# Altium PCB DC_DC_Buck_Controlled_PCB.PcbDoc (part 1 of 2)
Units mil, origin at the board's own origin, x right, y up, seen from the top; angles counter-clockwise.
Board outline 7880.45 x 7885.44 mil, 4 copper layers (Top Layer, Power, GND, Bottom Layer), stack 23.756 mil thick; 187 components, 75 nets, 547 pads, 165 vias.
Unrouted connection lines stored in the file: 1.
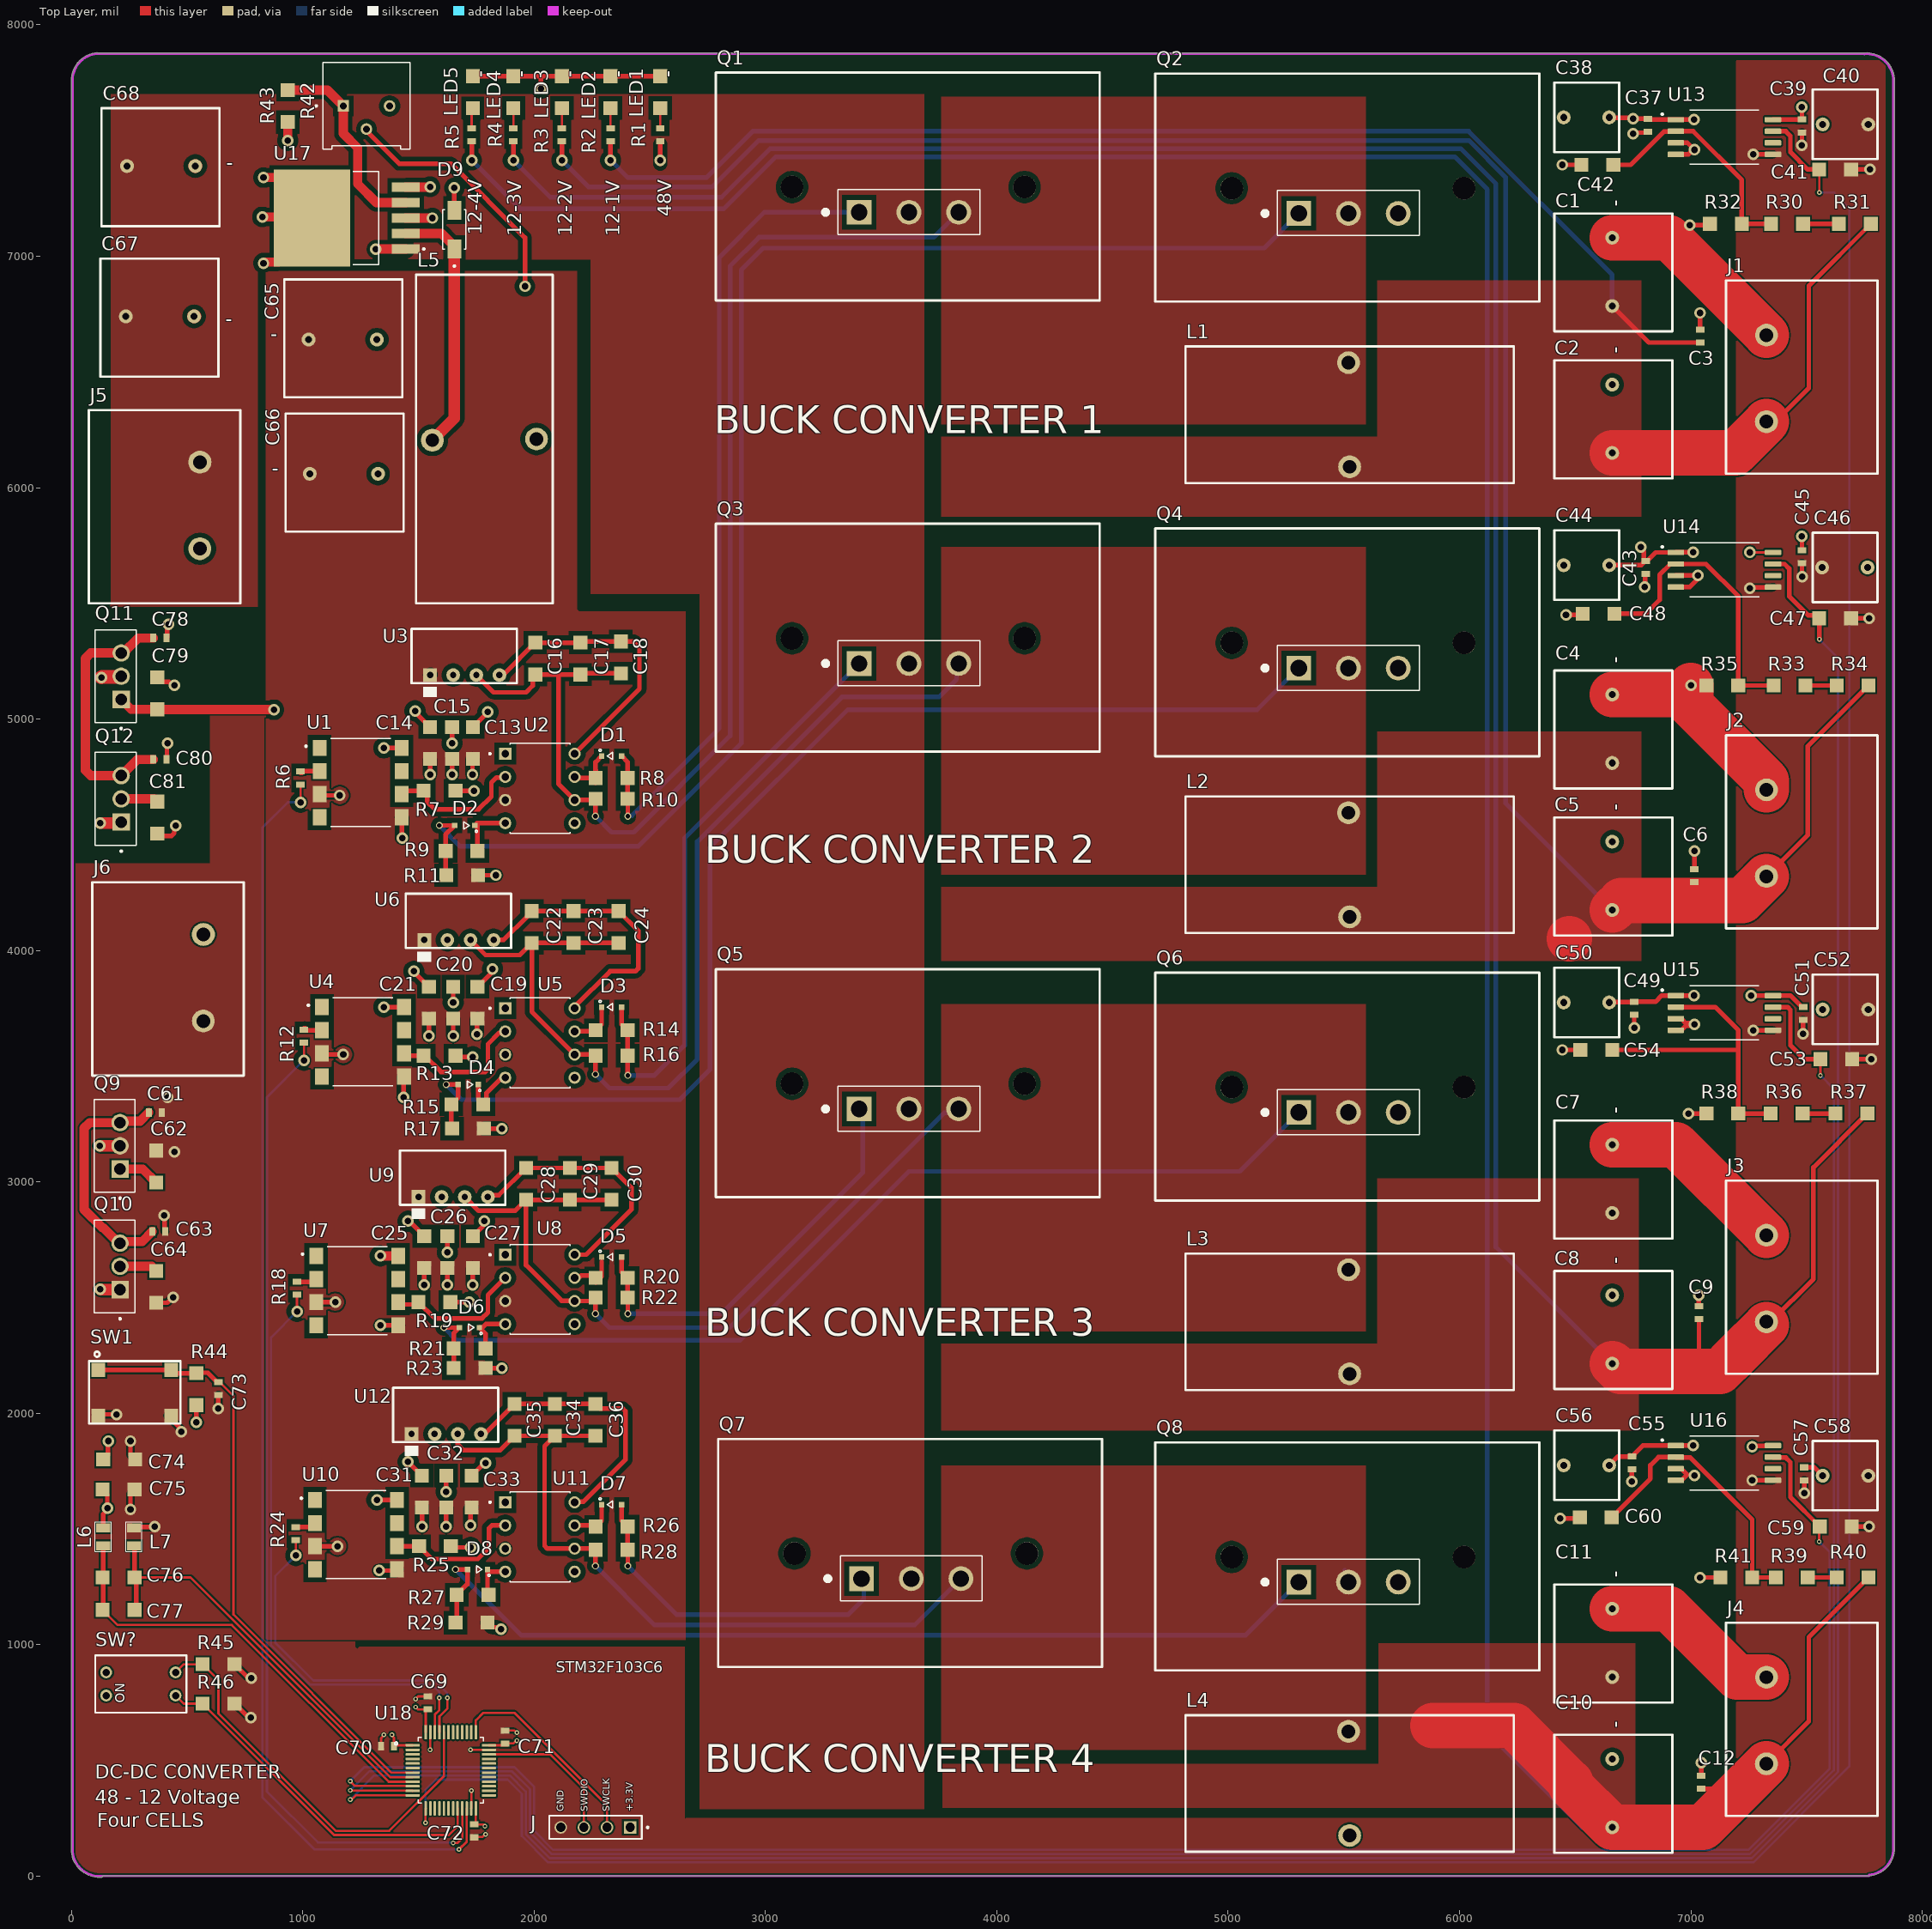
[diagram p0: Top Layer view]
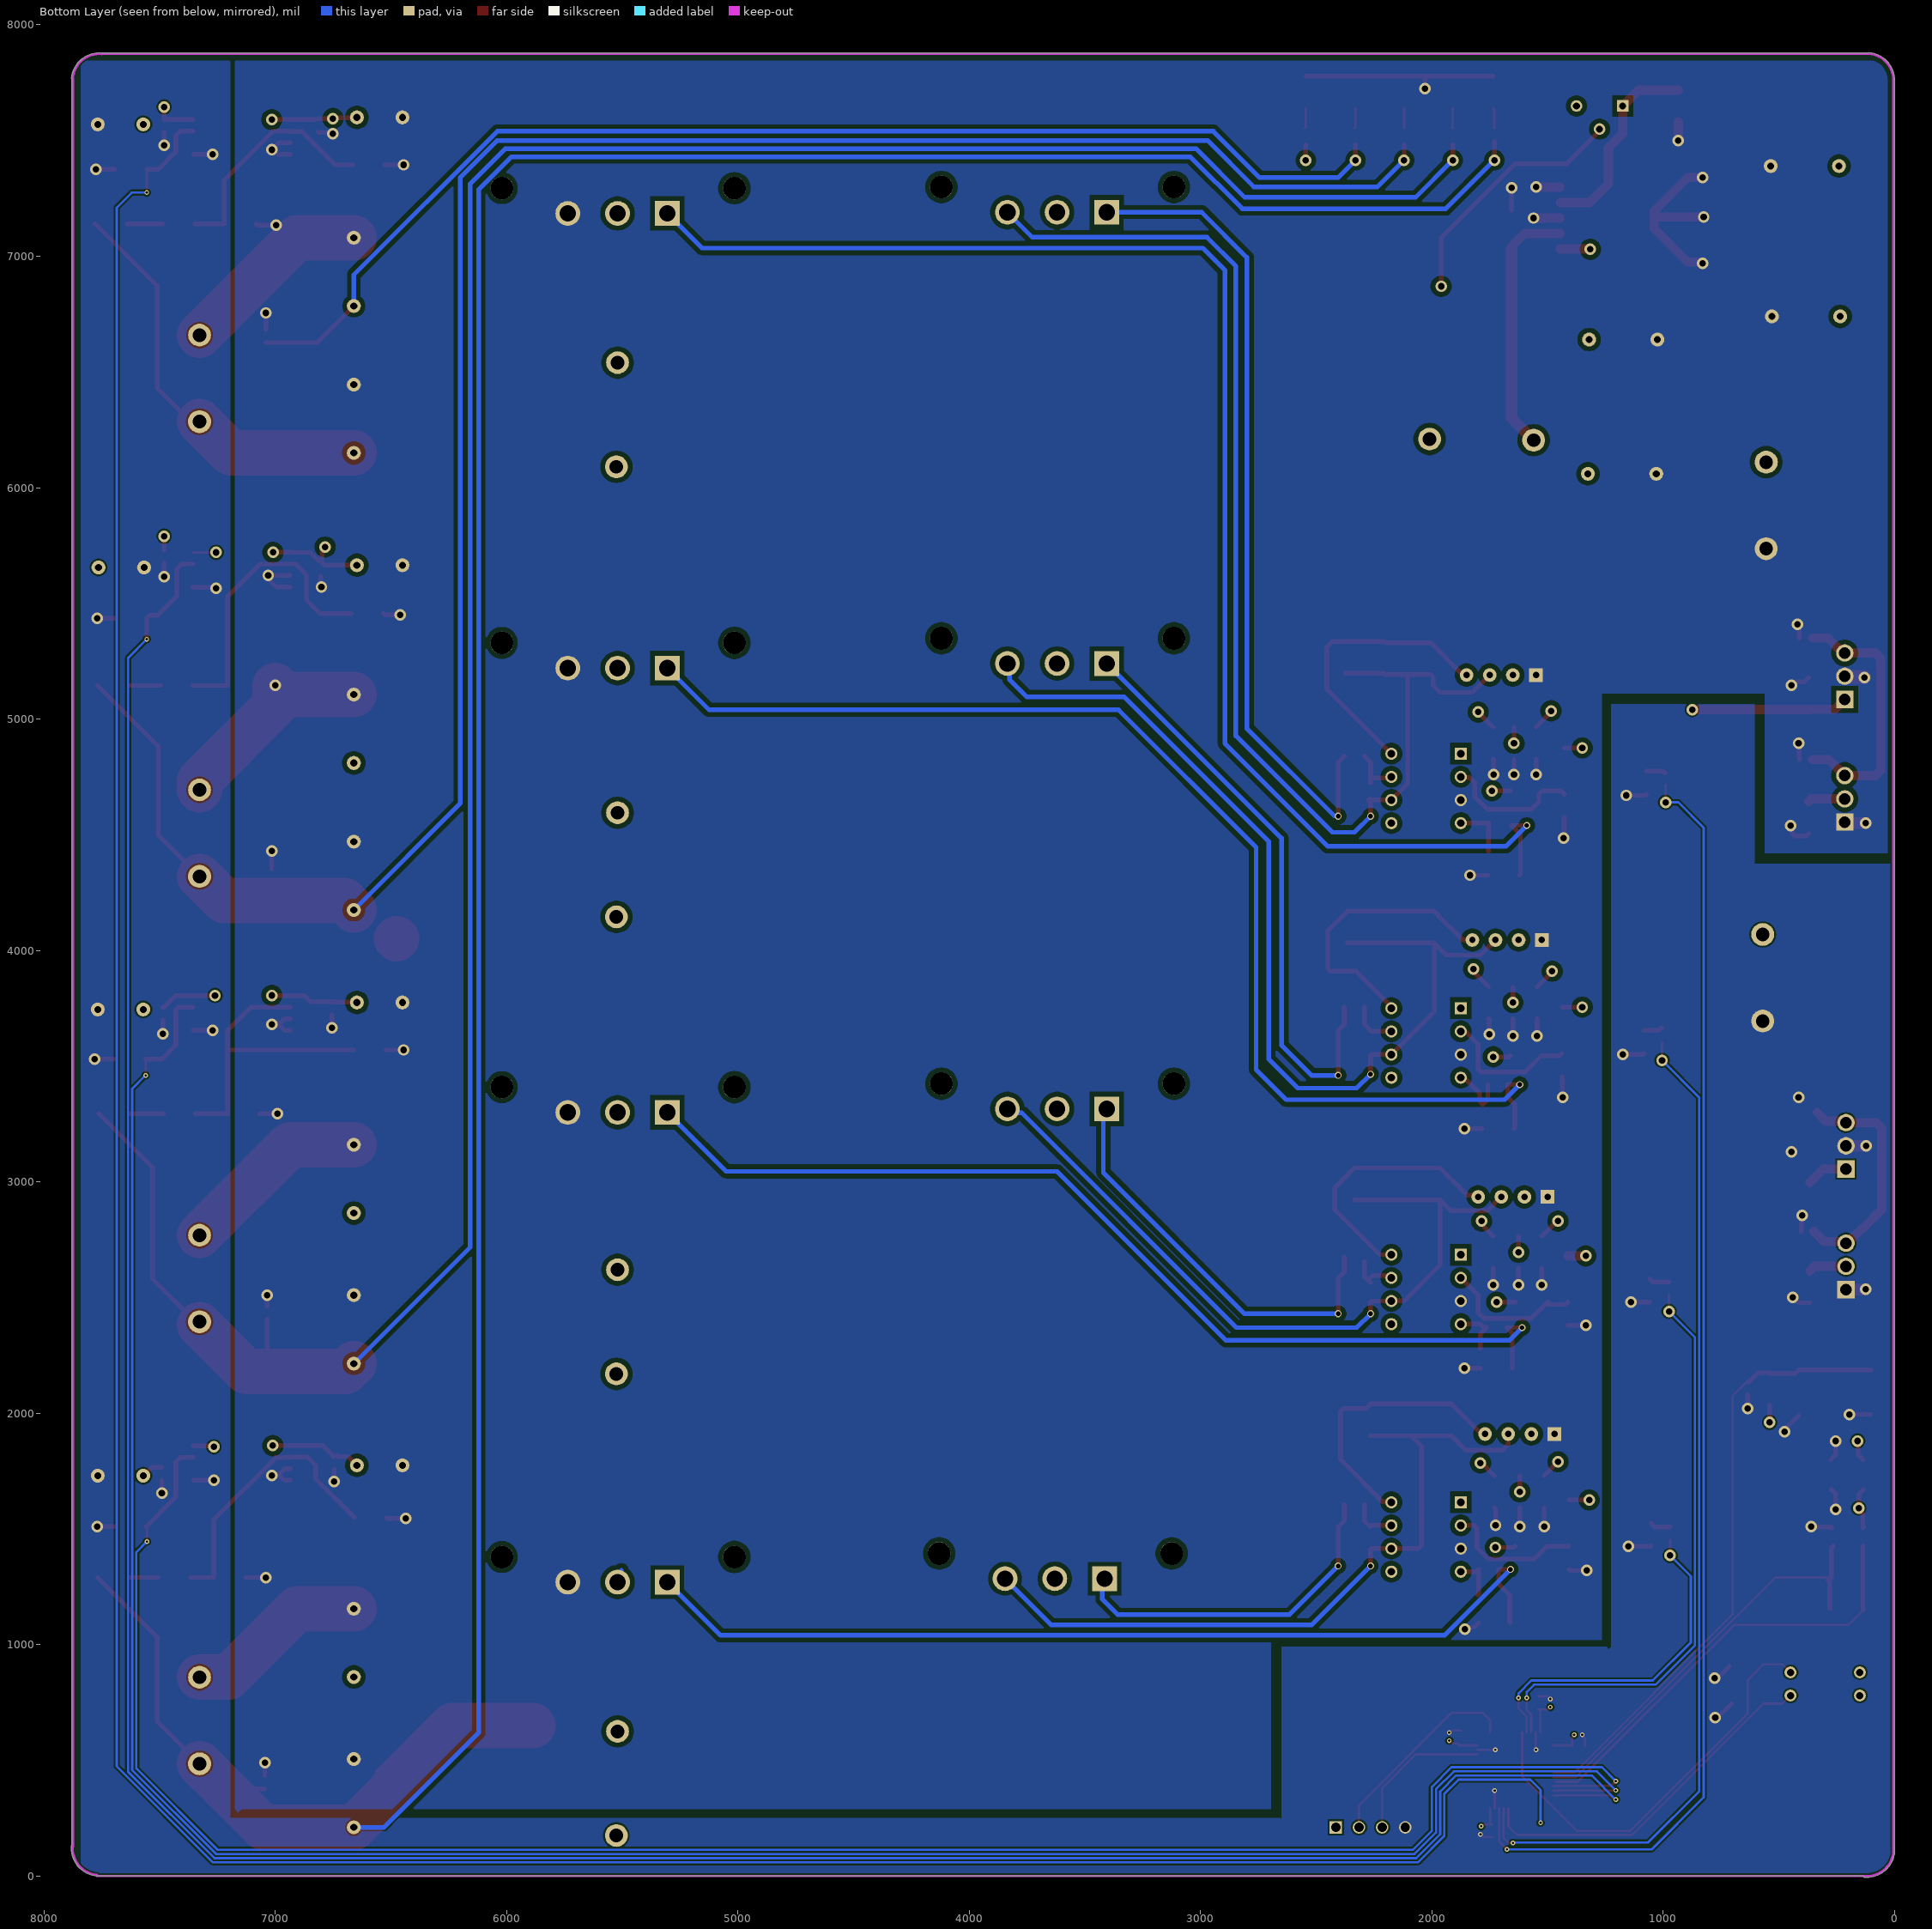
[diagram p1: Bottom Layer view, seen from below]
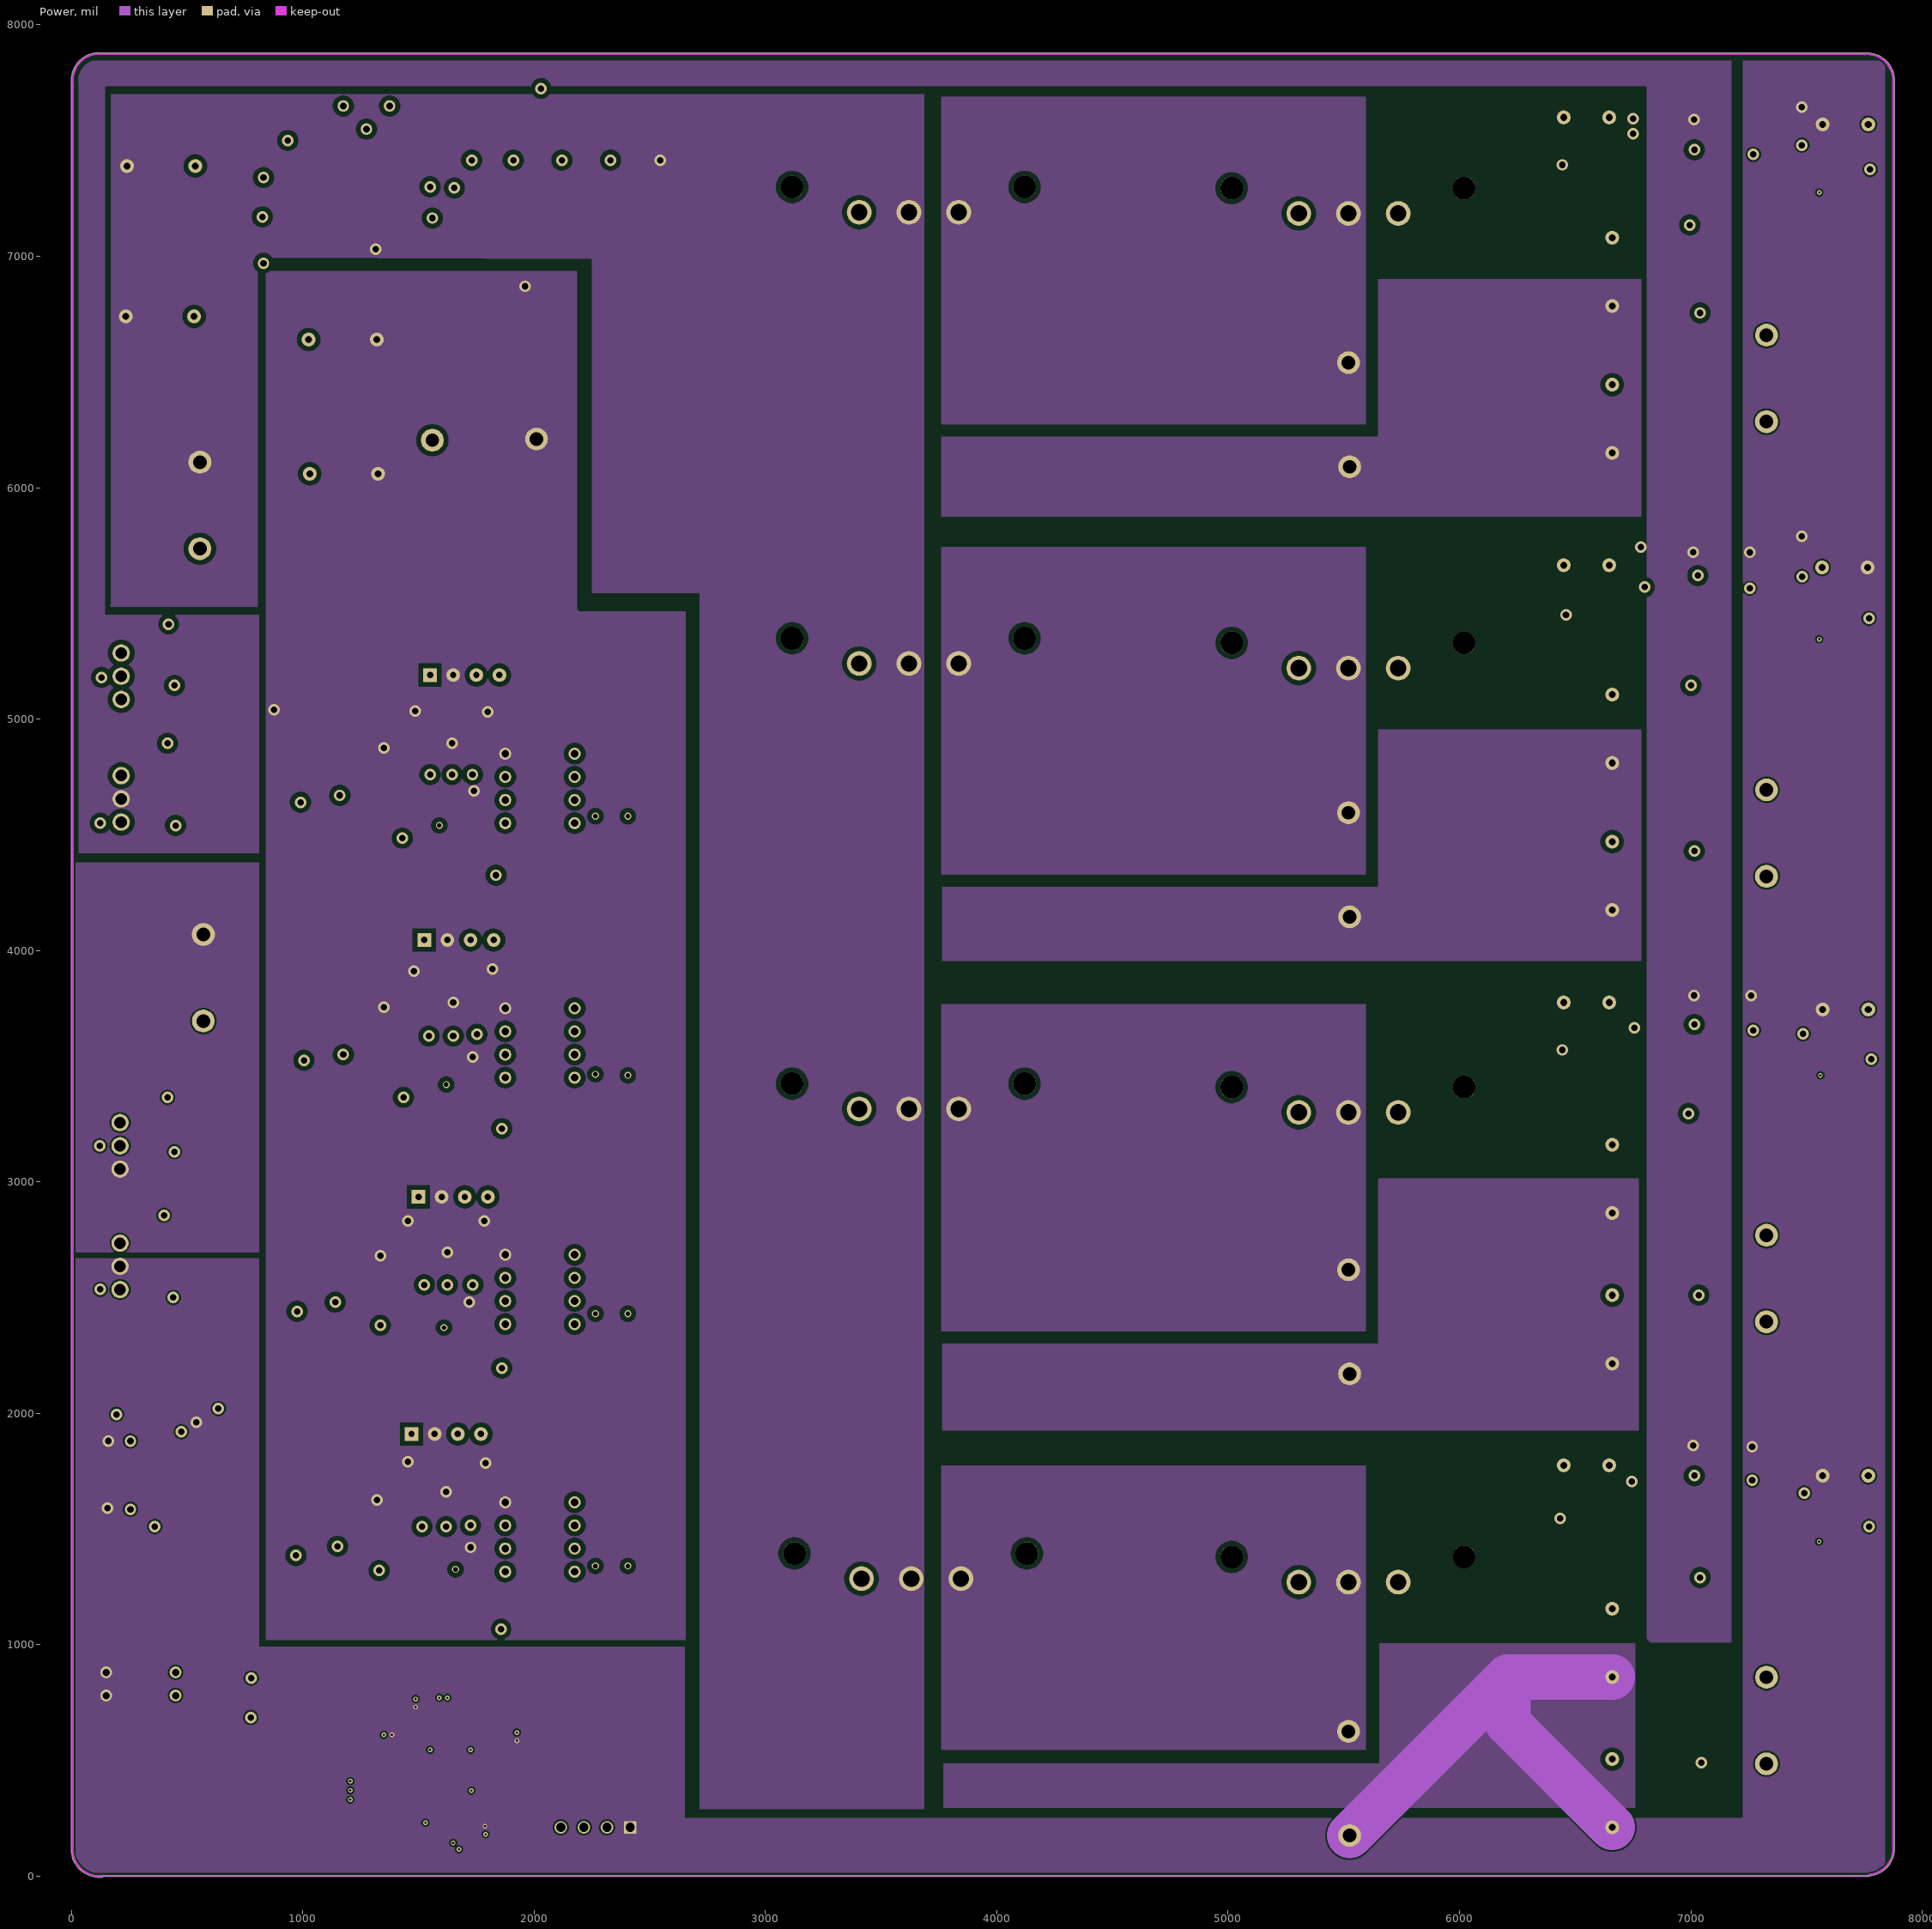
[diagram p2: Power]
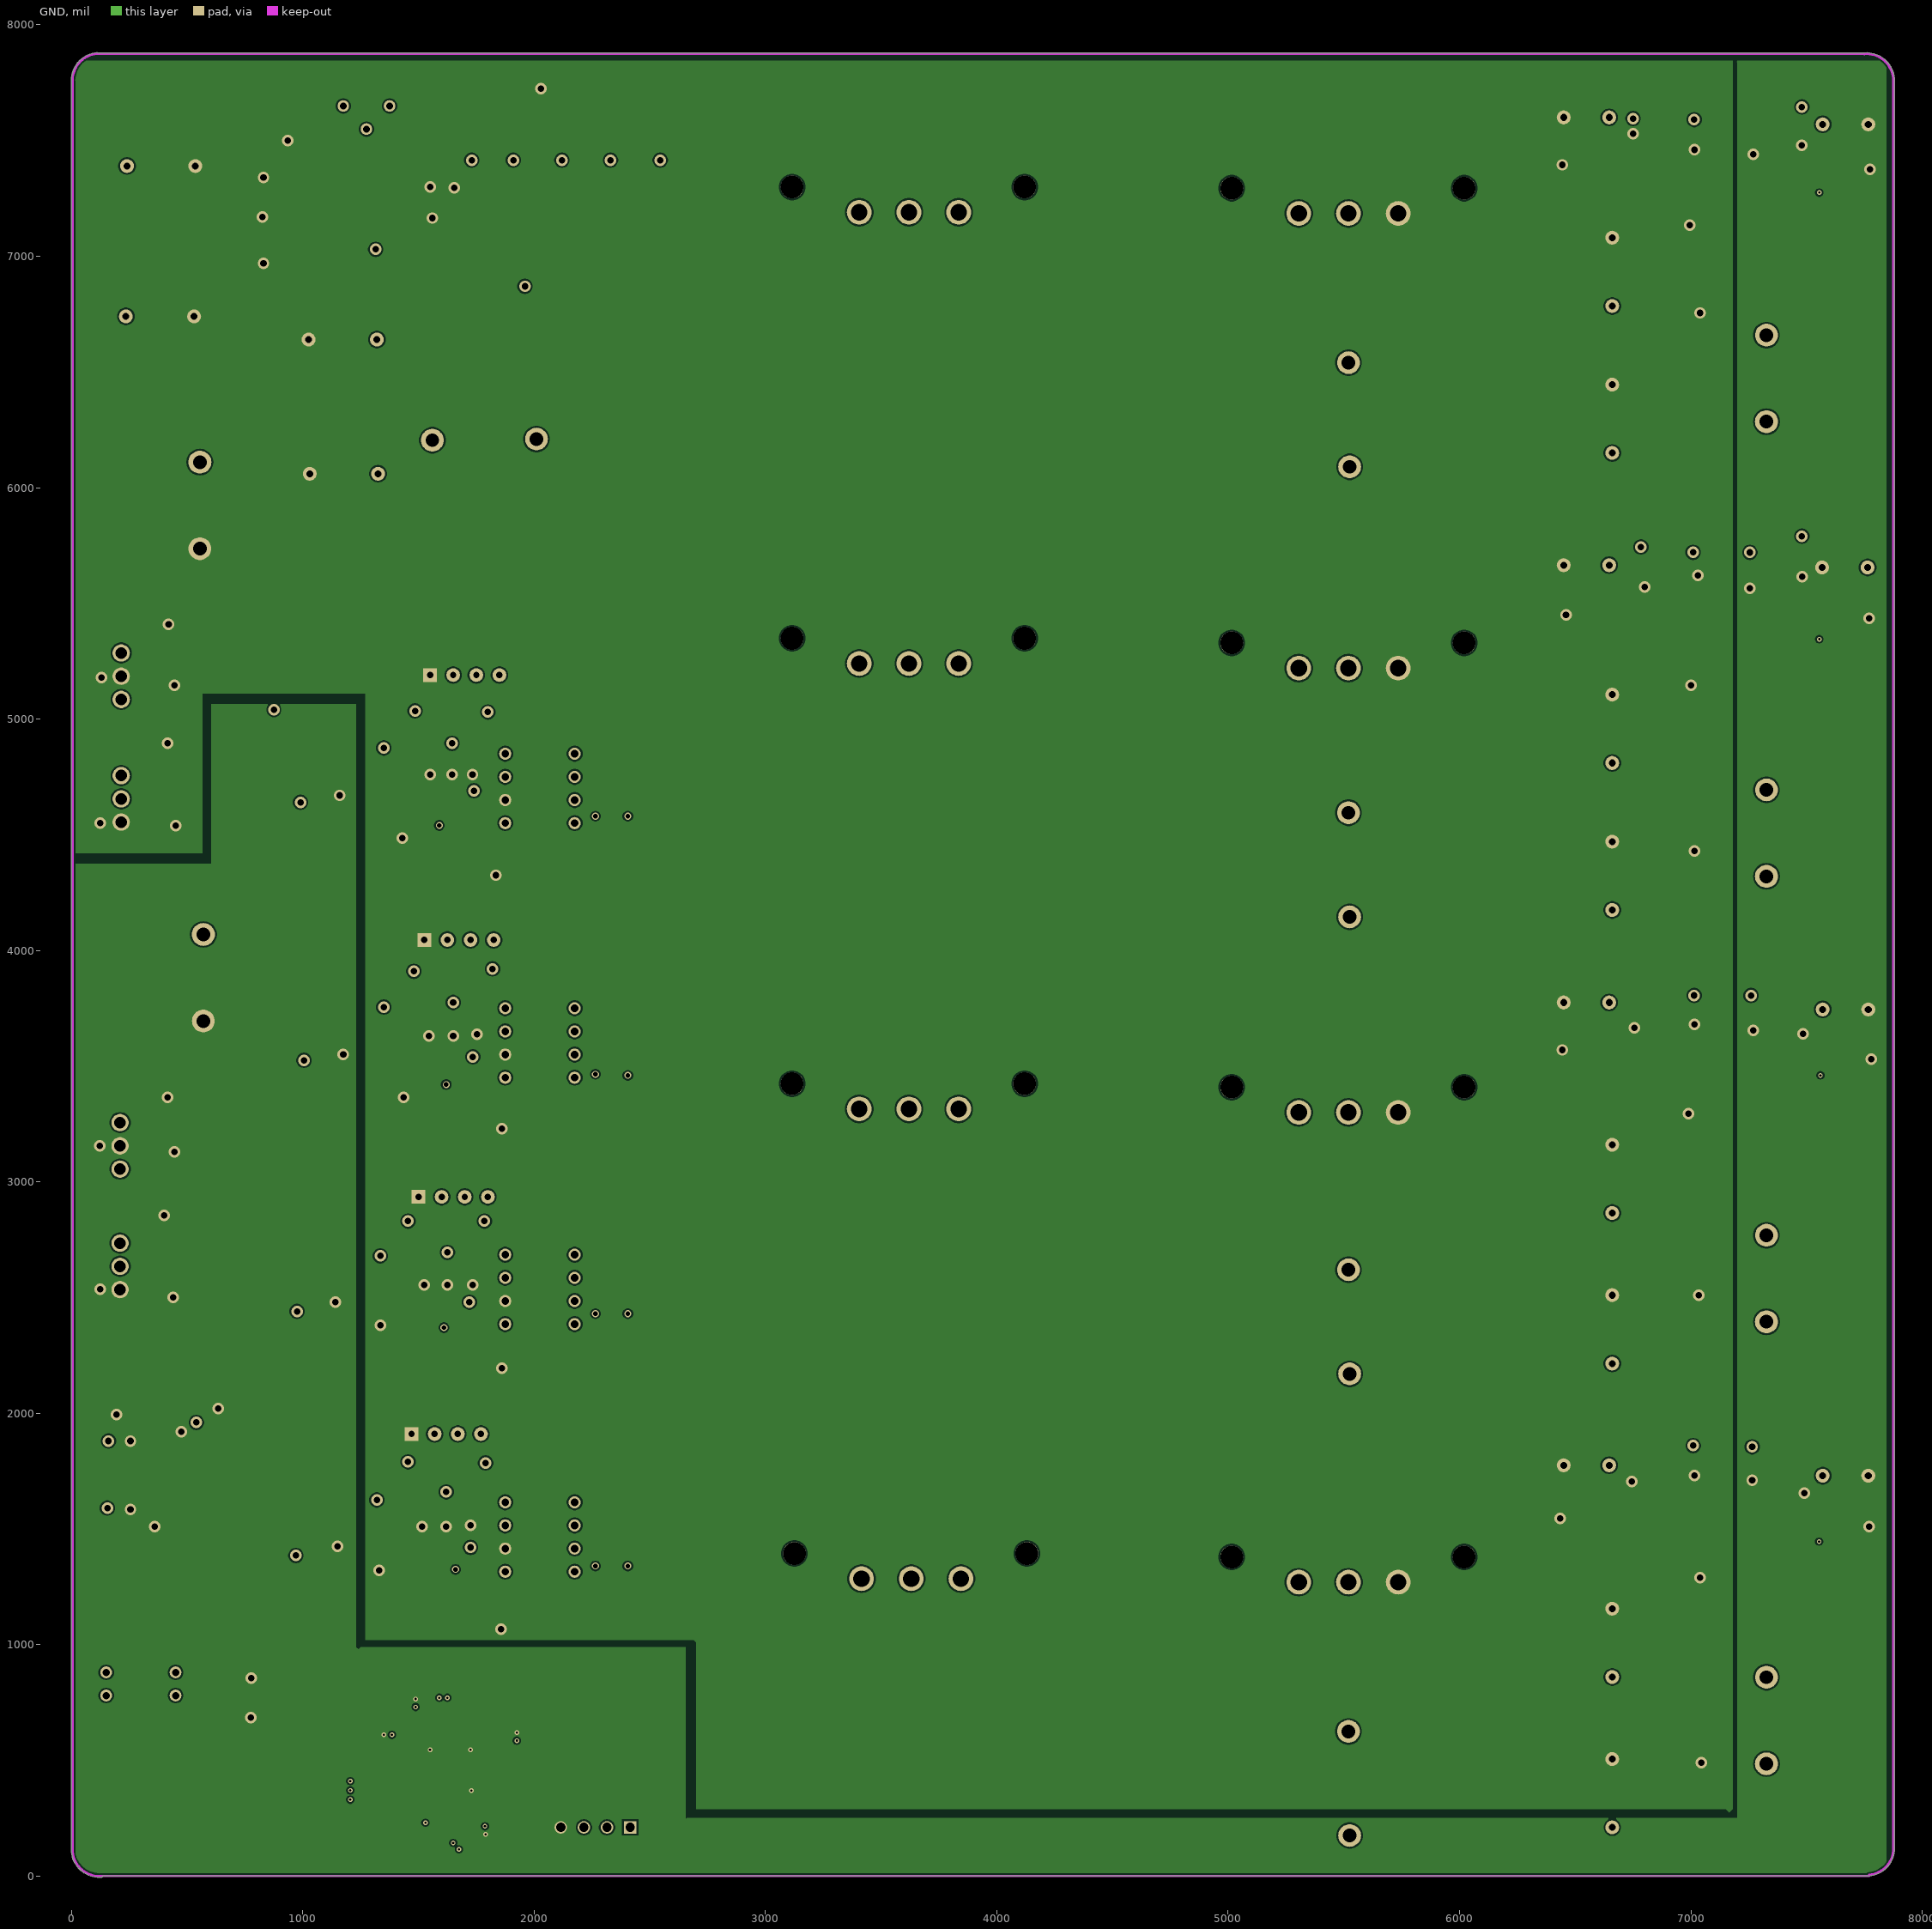
[diagram p3: GND]